# Altium PCB betrusted_dvt1b-dfm.PcbDoc (part 3 of 6) (continued)
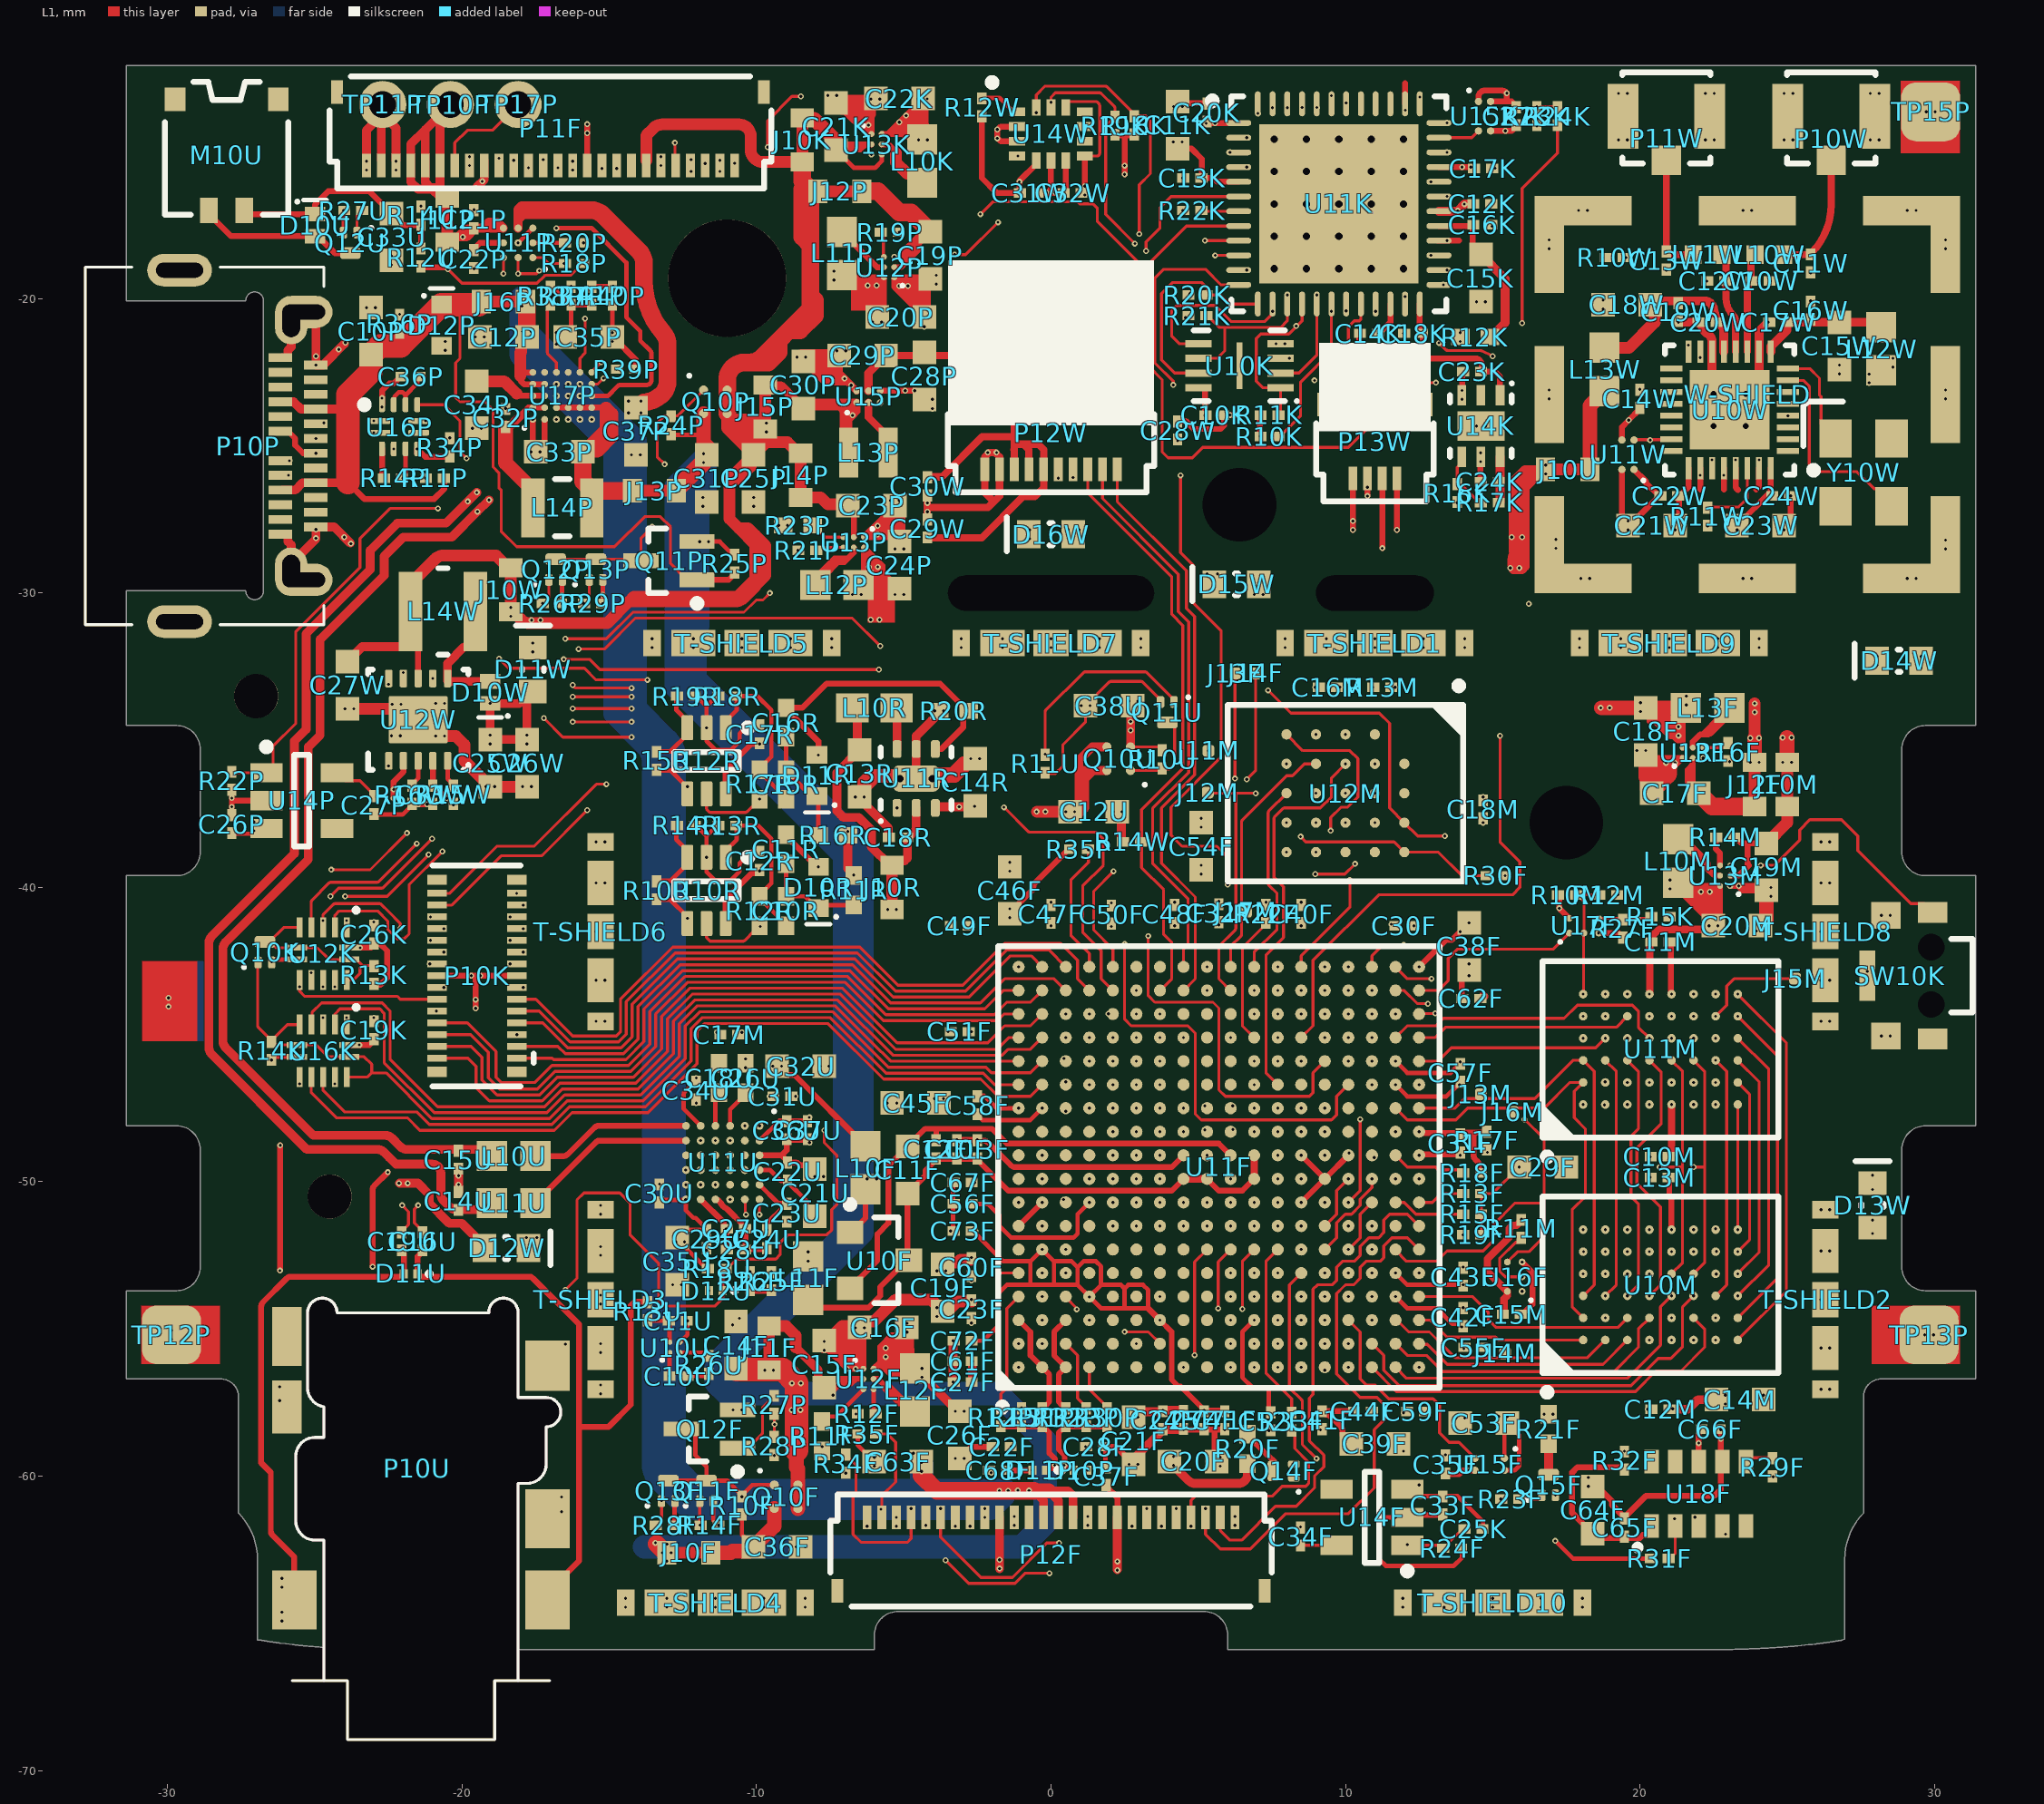
[diagram p0: L1 view]
## Nets (pads, with @x,y where several pads share a name; then routed paths per layer and width w, separated by ;. In a path a pad name is that pad's centre, name@x,y a point inside that pad or via, vN(x,y) a via of type N, cw(c..) or ccw(c..) an arc to the next point about the centre after c; other vN are vias at no path point) (continued)
  other v1: -26.125,-64.925 -26.125,-64.625 -14.45,-64.45 -13.05,-64.45 -11.4,-64.45 -9.75,-64.45 -8.35,-64.45 11.95,-64.45 13.35,-64.45 15,-64.45 16.65,-64.45 18.05,-64.45 -14.45,-64.15 -13.05,-64.15 -11.4,-64.15 -9.75,-64.15 -8.35,-64.15 11.95,-64.15 13.35,-64.15 15,-64.15 16.65,-64.15 18.05,-64.15 -26.125,-63.775 -26.125,-63.475 -1.75,-62.84 -8.65,-62.4 -8.35,-62.4 8.475,-61.725 -5.25,-61.7 -1.25,-61.675 1.25,-61.675 6.25,-61.675 -5.25,-61.4 -1.25,-61.375 1.25,-61.375 6.25,-61.375 15.275,-60.775 17.13,-60.65 18.25,-60.35 12.5,-60.3 18.25,-60.05 -0.635,-59.8 1.235,-59.8 -6.002,-59.659 5.75,-59.658 2.65,-59.6 2.95,-59.6 8.25,-59.595 -3.25,-59.4 -2.95,-59.4 -6.002,-59.359 5.75,-59.358 -9.4,-59.3 -7.775,-59.3 13.4,-59.275 11.675,-59.15 11.975,-59.15 -7.775,-59 22.75,-58.724 7.4,-58.45 9.15,-58.428 22.75,-58.424 4.5,-58.415 15.2,-57.975 15.5,-57.975 10.975,-57.85 11.975,-57.85 -10.8,-57.75 -10.5,-57.75 20.262,-57.729 24.2,-57.55 24.2,-57.25 -15.3,-57.2 26.15,-57.05 26.45,-57.05 -15.3,-56.9 -3.325,-56.8 -6.937,-56.35 -6.638,-56.35 -15.3,-55.8 -7.7,-55.725 26.15,-55.65 26.45,-55.65 14.75,-55.625 -15.3,-55.5 6.9,-55.5 -7.7,-55.425 -3.325,-55.4 20.325,-55.375 -29.875,-55.35 29.675,-55.2 29.975,-55.2 -29.875,-55.05 -6.642,-54.964 -6.342,-54.964 -10.813,-54.863 9.3,-54.7 -10.587,-54.637 -3.875,-54.575 -3.875,-54.275 -15.3,-54.15 -2.7,-54 26.15,-54 26.45,-54 11.7,-53.9 -15.3,-53.85 -11.62,-53.7 -12.85,-53.5 -12.55,-53.5 -2.7,-53.35 6.1,-53.1 16,-52.725 -8.25,-52.7 -15.3,-52.5 -8.25,-52.38 26.15,-52.35 26.45,-52.35 -11.7,-52.325 -15.3,-52.2 -3.416,-51.672 10.9,-51.5 -8.9,-51.3 -15.3,-51.1 26.15,-50.95 26.45,-50.95 -15.3,-50.8 -20.125,-50.093 -13.3,-50.075 -3.404,-50.032 -8.025,-49.825 -7.725,-49.825 -20.125,-49.793 -8.207,-48.667 -5.56,-47.325 -5.24,-47.325 -8.675,-47.1 -12.05,-46.475 -10.375,-46.125 -7.85,-46.075 -7.55,-46.075 3.7,-45.9 11.7,-45.9 -10.375,-45.825 6.1,-45.1 28.2,-45.05 28.5,-45.05 -10.5,-44.925 -3.5,-44.9 -15.45,-44.55 -15.15,-44.55 26.15,-44.55 26.45,-44.55 -23,-44.425 0.5,-44.3 8.5,-44.3 -29.975,-44.05 -29.975,-43.75 2.9,-43.5 10.9,-43.5 -20.625,-43.4 -15.45,-43.15 -15.15,-43.15 26.15,-43.15 26.45,-43.15 27.725,-43.15 27.725,-42.85 5.3,-42.7 -18.375,-42.6 18.6,-41.55 -15.45,-41.5 -15.15,-41.5 26.15,-41.5 26.45,-41.5 23.955,-41.477 24.255,-41.477 -3.5,-41.3 -23,-41.175 21.025,-41 28.2,-40.95 28.5,-40.95 2.05,-40.525 0,-40.5 4.2,-40.5 8.5,-40.5 5.7,-40.475 24.45,-40.3 19.25,-40.25 24.45,-40 23.059,-39.95 23.359,-39.95 -15.45,-39.85 -15.15,-39.85 26.15,-39.85 26.45,-39.85 -1.4,-39.45 -1.4,-39.15 8,-38.8 -15.45,-38.45 -15.15,-38.45 26.15,-38.45 26.45,-38.45 -27.075,-38.075 5.1,-37.95 -27.075,-37.775 5.1,-37.65 2.1,-37.425 2.4,-37.425 -21.492,-37.175 -21.192,-37.175 20.25,-37.075 20.55,-37.075 -6.65,-36.925 -6.35,-36.925 14.675,-36.925 11,-36.8 -19.2,-36.575 -18.9,-36.575 -17.95,-36.575 -17.65,-36.575 20.89,-35.767 21.19,-35.767 -2.725,-35.625 -2.425,-35.625 19.9,-35.35 20.2,-35.35 -20.9,-34.859 -20.6,-34.859 -22.4,-34.85 -22.1,-34.85 10,-34.8 -3.95,-34 -3.65,-34 -23.98,-33.929 -23.68,-33.929 1.025,-33.825 1.325,-33.825 -22.381,-33.778 -22.081,-33.778 -20.9,-33.75 -20.6,-33.75 9.818,-33.195 -13.55,-31.85 -12.15,-31.85 -10.5,-31.85 -8.85,-31.85 -7.45,-31.85 -3.05,-31.85 -1.65,-31.85 0,-31.85 1.65,-31.85 3.05,-31.85 7.95,-31.85 9.35,-31.85 11,-31.85 12.65,-31.85 14.05,-31.85 17.95,-31.85 19.35,-31.85 21,-31.85 22.65,-31.85 24.05,-31.85 -13.55,-31.55 -12.15,-31.55 -10.5,-31.55 -8.85,-31.55 -7.45,-31.55 -3.05,-31.55 -1.65,-31.55 0,-31.55 1.65,-31.55 3.05,-31.55 7.95,-31.55 9.35,-31.55 11,-31.55 12.65,-31.55 14.05,-31.55 17.95,-31.55 19.35,-31.55 21,-31.55 22.65,-31.55 24.05,-31.55 -16.61,-30.368 -15.233,-30.362 -16.61,-30.068 -15.233,-30.062 17.992,-29.504 18.292,-29.504 23.5,-29.5 23.8,-29.5 29.08,-29.5 29.38,-29.5 -5.3,-28.5 -5,-28.5 30.38,-28.5 17.15,-28.475 -23.779,-28.323 -11.934,-28.25 -11.634,-28.25 30.38,-28.2 17.15,-28.175 -24.97,-28.135 -24.006,-28.097 -5.888,-28.012 19.6,-27.85 24.9,-27.85 -24.97,-27.835 22.3,-27.725 -9.25,-27.7 -8.95,-27.7 -5.888,-27.712 19.6,-27.55 24.9,-27.55 -4.2,-27.237 -11.825,-27.05 -10.1,-27.05 -4.2,-26.938 -5.45,-26.85 -5.15,-26.85 -11.825,-26.75 -10.1,-26.75 20.663,-26.7 25.125,-26.7 -22.018,-26.1 14.594,-25.531 -14.25,-25.3 -13.95,-25.3 14.594,-25.231 -17.653,-25.205 -17.353,-25.205 -2.15,-25.225 -1.85,-25.225 -19.65,-24.4 -19.35,-24.4 14.45,-24.325 14.75,-24.325 -17.6,-24.1 6.078,-23.95 6.378,-23.95 -4.025,-23.735 -4.025,-23.415 13.956,-23.419 16.92,-23.4 30.38,-23.4 -4.951,-23.125 -4.631,-23.125 13.956,-23.119 16.92,-23.1 30.38,-23.1 20,-23.075 -6.787,-22.938 -7.013,-22.712 -21.345,-22.659 26.775,-22.55 -24.97,-22.252 26.775,-22.25 -8.631,-21.981 -8.331,-21.981 -24.97,-21.952 10.475,-21.85 -20.575,-21.75 -7.27,-21.77 -6.97,-21.77 -24.189,-21.718 7.645,-21.525 7.945,-21.525 -23.963,-21.492 -20.575,-21.45 -14.9,-21.45 -19.55,-21.3 -19.25,-21.3 11.975,-21.175 -14.9,-21.15 -4.303,-20.949 21.305,-20.795 24.362,-20.8 -4.303,-20.649 18.75,-20.35 -23.25,-20.3 -22.95,-20.3 14.45,-20.1 14.75,-20.1 25.8,-20.075 18.75,-20.05 -5.158,-19.564 -4.858,-19.564 -3.9,-19.5 22.275,-19.4 24.425,-19.4 -3.9,-19.2 25.8,-19.125 20.9,-19.025 -19.6,-18.975 -22.4,-18.85 -22.4,-18.55 16.92,-18.3 30.38,-18.3 -18.1,-18.1 -15.875,-18.1 16.92,-18 30.38,-18 14.977,-17.535 17.92,-17 18.22,-17 23.5,-17 23.8,-17 29.08,-17 29.38,-17 -19.6,-16.975 14.982,-16.715 -0.158,-16.394 0.142,-16.394 4.475,-15.9 -23.25,-15.625 -22.25,-15.625 -16.25,-15.625 15.086,-15.569 -19.75,-15.475 -13.25,-15.475 -23.25,-15.325 -22.25,-15.325 -16.25,-15.325 -19.75,-15.175 -13.25,-15.175 19.275,-14.6 19.575,-14.6 22.225,-14.6 22.525,-14.6 24.9,-14.6 25.2,-14.6 27.825,-14.6 28.125,-14.6 -1.825,-14.55 -1.825,-14.25 -6.501,-14.1 -6.201,-14.1 29.725,-13.65 30.025,-13.65 4.161,-13.472 4.461,-13.472 -6.115,-13.215 -5.815,-13.215 -7.582,-13.096 -7.282,-13.096 15.484,-13.019 19.275,-13.025 19.575,-13.025 22.225,-13.025 22.525,-13.025 24.9,-13.025 25.2,-13.025 27.825,-13.025 28.125,-13.025
  other v2: -26.125,-64.775 -14.45,-64.3 -13.05,-64.3 -11.4,-64.3 -9.75,-64.3 -8.35,-64.3 11.95,-64.3 13.35,-64.3 15,-64.3 16.65,-64.3 18.05,-64.3 -26.125,-63.625 -1.75,-62.99 -8.5,-62.4 8.475,-61.725 -11.287,-61.675 -12.793,-61.667 -5.25,-61.55 -1.25,-61.525 1.25,-61.525 6.25,-61.525 15.275,-60.775 17.13,-60.65 12.5,-60.3 18.25,-60.2 1.235,-59.8 8.25,-59.595 5.75,-59.508 -9.4,-59.3 13.4,-59.275 -7.775,-59.15 11.825,-59.15 22.75,-58.574 7.4,-58.45 5.9,-58.425 9.15,-58.428 15.35,-57.975 11,-57.9 12,-57.9 -10.65,-57.75 20.262,-57.729 24.2,-57.4 -15.3,-57.05 26.3,-57.05 -11.625,-56.55 -6.787,-56.35 -15.3,-55.65 26.3,-55.65 14.75,-55.625 6.9,-55.5 -29.875,-55.2 29.825,-55.2 -6.492,-54.964 -10.7,-54.75 -12.35,-54.725 9.3,-54.7 -3.875,-54.425 -15.3,-54 -2.7,-54 26.3,-54 -11.62,-53.7 -12.7,-53.5 -2.7,-53.35 6.1,-53.1 -8.25,-52.54 -15.3,-52.35 26.3,-52.35 -11.7,-52.325 -10.3,-52.3 -3.416,-51.672 10.9,-51.5 -8.9,-51.3 -15.3,-50.95 26.3,-50.95 -13.3,-50.075 -3.404,-50.032 -20.125,-49.943 -7.875,-49.825 -8.207,-48.667 -5.4,-47.325 -8.575,-47.025 -12.05,-46.475 -7.7,-46.075 -10.375,-45.975 3.7,-45.9 -26.475,-45.862 6.1,-45.1 28.35,-45.05 -10.5,-44.925 -3.5,-44.9 -15.3,-44.55 26.3,-44.55 -23,-44.425 0.5,-44.3 8.5,-44.3 -29.975,-43.9 14.695,-43.7 2.9,-43.5 10.9,-43.5 -20.625,-43.4 -15.3,-43.15 26.3,-43.15 27.725,-43 5.3,-42.7 -18.375,-42.6 -26.47,-42.525 -15.3,-41.5 26.3,-41.5 24.105,-41.477 -3.5,-41.3 -23,-41.175 21.025,-41 28.35,-40.95 2.05,-40.525 0,-40.5 4.2,-40.5 8.5,-40.5 5.7,-40.475 19.25,-40.25 24.45,-40.15 -15.3,-39.85 26.3,-39.85 -1.4,-39.3 -11.7,-38.975 8,-38.8 -15.3,-38.45 26.3,-38.45 -27.075,-37.925 5.1,-37.8 -21.342,-37.175 20.4,-37.075 -6.5,-36.925 14.675,-36.925 11,-36.8 21.04,-35.767 -2.575,-35.625 20.05,-35.35 -20.75,-34.859 -22.25,-34.85 10,-34.8 -11.7,-34.575 -3.8,-34 -23.83,-33.929 -22.231,-33.778 -20.75,-33.75 9.818,-33.195 -13.55,-31.7 -12.15,-31.7 -10.5,-31.7 -8.85,-31.7 -7.45,-31.7 -3.05,-31.7 -1.65,-31.7 0,-31.7 1.65,-31.7 3.05,-31.7 7.95,-31.7 9.35,-31.7 11,-31.7 12.65,-31.7 14.05,-31.7 17.95,-31.7 19.35,-31.7 21,-31.7 22.65,-31.7 24.05,-31.7 -16.61,-30.218 -15.233,-30.212 18.142,-29.504 23.65,-29.5 29.23,-29.5 -5.15,-28.5 30.38,-28.35 17.15,-28.325 -11.784,-28.25 -23.893,-28.21 -24.97,-27.985 -5.888,-27.862 22.3,-27.725 -9.1,-27.7 -11.825,-26.9 -10.1,-26.9 -5.3,-26.85 14.594,-25.381 -14.1,-25.3 -17.503,-25.205 -2,-25.225 -19.5,-24.4 14.6,-24.325 6.228,-23.95 -4.025,-23.575 13.956,-23.269 16.92,-23.25 30.38,-23.25 -4.791,-23.125 20,-23.075 -14.085,-22.392 26.775,-22.4 -24.97,-22.102 -8.481,-21.981 -7.12,-21.77 -24.076,-21.605 -20.575,-21.6 7.795,-21.525 -19.4,-21.3 11.975,-21.175 -4.303,-20.799 21.305,-20.795 -22.125,-20.525 -23.1,-20.3 18.75,-20.2 14.6,-20.1 25.8,-20.075 -5.008,-19.564 22.275,-19.4 24.425,-19.4 -3.9,-19.35 25.8,-19.125 20.9,-19.025 -22.4,-18.7 16.92,-18.15 30.38,-18.15 14.977,-17.535 -24.026,-17.001 18.07,-17 23.65,-17 29.23,-17 14.982,-16.715 -0.008,-16.394 4.475,-15.9 15.086,-15.569 -23.25,-15.475 -22.25,-15.475 -16.25,-15.475 -19.75,-15.325 -13.25,-15.325 19.425,-14.6 22.375,-14.6 25.05,-14.6 27.975,-14.6 -1.825,-14.4 -6.351,-14.1 29.875,-13.65 4.311,-13.472 -5.965,-13.215 -7.432,-13.096 19.425,-13.025 22.375,-13.025 25.05,-13.025 27.975,-13.025
  other v3: 29.829,-55.35 -30.025,-55.2 -29.725,-55.2 29.829,-55.05 -30.125,-43.9 -29.825,-43.9 29.875,-13.8 29.875,-13.5
  other v4: 7.576,-18.977 8.676,-18.977 9.776,-18.977 10.876,-18.977 11.976,-18.977 7.576,-17.877 8.676,-17.877 9.776,-17.877 10.876,-17.877 11.976,-17.877 7.576,-16.777 8.676,-16.777 9.776,-16.777 10.876,-16.777 11.976,-16.777 7.576,-15.677 8.676,-15.677 9.776,-15.677 10.876,-15.677 11.976,-15.677 7.576,-14.577 8.676,-14.577 9.776,-14.577 10.876,-14.577 11.976,-14.577
  other v5: 22.5,-24.325 23.6,-24.325
GPIO0: P11F.14 U11F.F14 | length 60.1
  L2 w0.1: v1(-16.75,-15.55) -16.75,-15.05 -16.55,-14.85 -13.775,-14.85 -13.234,-14.309 -12.2,-14.309 -9.506,-14.308 cw(c-9.505,-14.408) -9.435,-14.337 -8.017,-15.755 -8.016,-20.499 -10.9,-23.384 -10.899,-27.342 -10.899,-28.782 cw(c-10.999,-28.783) -10.928,-28.853 -11.325,-29.25 -12.307,-29.25 -15.567,-32.511 -15.566,-36.945 ccw(c-15.466,-36.945) -15.537,-37.016 -14.355,-38.197 cw(c-14.425,-38.269) -14.325,-38.268 ; -14.325,-38.269 -14.325,-41.008 -12.633,-42.7 -8.066,-42.7 -7.016,-43.75 -0.808,-43.75 -0.133,-43.075 1.125,-43.075 1.825,-43.775 2,-43.775 2.3,-44.075 2.3,-44.85 2.35,-44.9 2.35,-45.37 v1@2.89,-45.91
  other v1: 2.9,-45.9
GPIO1: P11F.13 U11F.F15 | length 60.4
  L2 w0.1: v1(-17.25,-15.275) -17.25,-15.05 -16.85,-14.65 -15.175,-14.65 -14.617,-14.092 -12.2,-14.092 -9.416,-14.091 cw(c-9.415,-14.191) -9.345,-14.12 ; -14.125,-38.173 -14.125,-40.925 -12.55,-42.5 -7.983,-42.5 -6.933,-43.55 -0.9,-43.55 -0.225,-42.875 1.208,-42.875 1.858,-43.525 2.075,-43.525 2.5,-43.95 2.5,-44.767 2.55,-44.817 2.55,-45.266 2.609,-45.325 2.679,-45.325 2.9,-45.104 v1(2.9,-45.1) ; -14.125,-38.172 ccw(c-14.225,-38.173) -14.155,-38.102 -15.32,-36.937 cw(c-15.249,-36.866) -15.349,-36.866 -15.35,-32.6 -12.217,-29.467 -11.235,-29.467 -10.711,-28.943 ccw(c-10.782,-28.872) -10.682,-28.872 -10.682,-27.252 -10.683,-23.474 -7.799,-20.589 -7.8,-15.665 -9.345,-14.121
GPIO2: P10K.29 P11F.22 U11F.E16 | length 60.3
  L1 w0.1: P10K.29@-20.855,-40.6 -20.35,-40.6 -18.675,-38.925 -17.341,-38.925 ccw(c-17.341,-38.825) -17.27,-38.895 ; -17.27,-38.895 v1(-15.75,-37.375) ; v1(-12.775,-14.7) -12.775,-15.45 P11F.22@-12.75,-15.475
  L2 w0.1: v1(-12.775,-14.7) -12.5,-14.7 -12.309,-14.509 -12.2,-14.509 -9.589,-14.509 cw(c-9.588,-14.609) -9.518,-14.538 ; -9.517,-14.538 -8.217,-15.838 -8.216,-20.416 -11.1,-23.301 -11.1,-27.425 -11.1,-28.699 cw(c-11.2,-28.7) -11.129,-28.77 -11.408,-29.049 -12.39,-29.05 -15.767,-32.428 -15.766,-37.342 ccw(c-15.666,-37.342) -15.737,-37.413 -14.555,-38.595 cw(c-14.625,-38.666) -14.525,-38.666 -14.525,-41.091 -12.716,-42.9 -8.149,-42.9 -7.099,-43.95 -0.725,-43.95 -0.05,-43.275 1.033,-43.275 1.779,-44.021 1.779,-44.126 v1(1.949,-44.296)
GPIO3: P10K.30 P11F.12 U11F.G15 | length 70.4
  L1 w0.1: P10K.30@-20.855,-40.2 -20.425,-40.2 -18.825,-38.6 -17.55,-38.6 -15.441,-36.491 v1(-15.099,-36.491)
  L2 w0.1: v1(-17.75,-15.55) -17.75,-15.2 -16.275,-13.725 -15.475,-13.725 -15.366,-13.834 -12.175,-13.834 -9.187,-13.833 -6.905,-16.115 -6.904,-20.284 -8.05,-21.43 -8.049,-24.426 -8.049,-25.649 -10.3,-27.9 -10.3,-29.457 -10.513,-29.67 -11.595,-30.753 ccw(c-11.525,-30.824) -11.625,-30.824 -11.625,-31.818 cw(c-11.725,-31.818) -11.654,-31.888 -12.012,-32.246 cw(c-12.083,-32.175) -12.082,-32.275 -14.507,-32.275 -15.101,-32.869 v1@-15.1,-36.491 ; v1(-15.099,-36.491) ccw(c-15,-36.505) -15.1,-36.505 -15.1,-36.684 ccw(c-15,-36.684) -15.071,-36.754 -13.925,-37.9 -13.925,-40.842 -12.467,-42.3 -7.9,-42.3 -6.85,-43.35 -0.983,-43.35 -0.308,-42.675 1.325,-42.675 1.938,-43.288 2.122,-43.288 2.734,-43.9 3.125,-43.9 3.35,-44.125 3.35,-44.75 v1(3.7,-45.1)
GPIO4: P11F.11 U11F.G16 | length 63.1
  L2 w0.1: v1(-18.25,-15.3) -18.05,-15.1 -17.975,-15.1 -16.4,-13.525 -14.925,-13.525 -14.825,-13.625 -12.175,-13.625 -9.101,-13.624 -6.696,-16.028 -6.695,-20.37 -7.849,-21.524 -7.849,-25.799 -10.025,-27.975 -10.025,-29.465 -11.325,-30.765 -11.325,-30.924 -11.325,-31.801 cw(c-11.425,-31.801) -11.354,-31.871 -11.513,-32.03 -11.946,-32.462 cw(c-12.016,-32.392) -12.016,-32.492 -14.258,-32.492 ccw(c-14.258,-32.592) -14.329,-32.521 -14.801,-32.993 -14.8,-36.701 ccw(c-14.7,-36.701) -14.771,-36.771 -13.725,-37.817 -13.725,-40.759 -12.384,-42.1 -7.817,-42.1 -6.767,-43.15 -1.066,-43.15 -0.391,-42.475 1.408,-42.475 2.008,-43.075 3.15,-43.075 3.7,-43.625 v1(3.7,-44.3)
GPIO5: P11F.10 U11F.G13 | length 66.9
  L2 w0.1: v1(-18.75,-15.225) -18.2,-14.675 -17.875,-14.675 -16.5,-13.3 -14.6,-13.3 -14.475,-13.425 -12.175,-13.425 -9.018,-13.424 -6.496,-15.945 -6.495,-20.453 -7.641,-21.599 -7.641,-24.144 -7.641,-26.866 -9.4,-28.625 -9.4,-29.135 -10.099,-29.834 -11.096,-30.831 ccw(c-11.025,-30.902) -11.125,-30.902 -11.125,-31.883 cw(c-11.225,-31.883) -11.154,-31.954 -11.862,-32.662 cw(c-11.933,-32.592) -11.933,-32.692 -14.175,-32.692 ccw(c-14.176,-32.792) -14.246,-32.721 -14.601,-33.076 -14.6,-36.618 ccw(c-14.5,-36.618) -14.571,-36.689 -13.525,-37.734 -13.525,-40.676 -12.301,-41.9 -7.734,-41.9 -6.684,-42.95 -2.775,-42.95 -1.7,-41.875 -1.225,-41.875 -0.825,-42.275 2.633,-42.275 3.95,-43.592 3.95,-45.521 4.1,-45.671 4.1,-46.066 3.7,-46.466 v1(3.7,-46.7)
GYRO_INT0: U11K.43 U14W.4 | length 11.5
  L2 w0.1: v1(-1.125,-15.15) 1.284,-15.15 ccw(c1.284,-15.05) 1.355,-15.12 3.401,-13.074 cw(c3.472,-13.144) 3.472,-13.044 9.428,-13.044 cw(c9.428,-13.144) 9.498,-13.073 v1(9.525,-13.1)
HP_DET: D12U.2 P10U.6 R18U.1 U11U.C4 | length 26.3
  L1 w0.1: v1@-16.5,-53.675 v1@-16.5,-53.667 ; v1(-16.492,-53.667) -16.1,-53.275 -16.1,-50.614 -15.861,-50.375 -14.65,-50.375 -14.3,-50.725 -14.3,-51.8 -13.325,-52.775 -13.325,-54.05 -13.15,-54.225 -11.425,-54.225 -11.15,-53.95 D12U.2@-11.15,-53.7 -11.15,-53.06 -11.04,-52.95 -11.025,-52.95 -11,-52.95 -10.675,-52.625 -9.35,-52.625 -9.2,-52.475 -9.2,-52.075 -8.925,-51.8 -7.613,-51.8 -7.45,-51.637 -7.45,-50.95 -7.275,-50.775 -7.275,-49.1 -7.7,-48.675 v1(-7.7,-48.25)
  L2 w0.1: v1(-16.492,-55.517) v1(-16.492,-53.667) ; v1(-10.9,-49.6) -10.725,-49.425 -9.3,-49.425 -8.833,-48.958 -8.833,-48.408 -8.675,-48.25 v1(-7.7,-48.25)
HP_LEFT: P10U.2 U11U.B1 | length 32.3
  L1 w0.2: v1(-26.191,-53.017) -26.191,-48.773 v1(-26.179,-48.761)
  L2 w0.2: v1@-26.2,-57.425 v1(-26.2,-56.963) v1@-26.2,-53.017 ; v1(-26.179,-48.761) -25.519,-48.1 -20.866,-48.1 -17.325,-48.1 -14.308,-45.083 cw(c-14.167,-45.225) -14.169,-45.025 -14.167,-45.025 -12.175,-45.025 -11.625,-44.475 -10.05,-44.475 -8.725,-45.8 -8.725,-46.35 -9.075,-46.7 -9.075,-47.475 -9.475,-47.875 -9.475,-48.175 -9.775,-48.475 -10.025,-48.475 v1(-10.4,-48.1)
  other v1: -26.2,-57.438
HP_MIC: C16U.1 D11U.2 P10U.1 R13U.1 | length 22.9
  L1 w0.2: C16U.1@-21.35,-52.35 -21.35,-52.375 -21.515,-52.54 D11U.2@-21.515,-53.125 -21.474,-53.166 ccw(c-21.332,-53.025) -21.332,-53.225 -17.733,-53.225 cw(c-17.733,-53.425) -17.591,-53.284 -16.025,-54.85 -16.025,-58.322 ; P10U.1@-17.1,-64.2 -17.1,-63.95 -16.025,-62.875 -16.025,-58.322 ; R13U.1@-13.7,-54.075 -14.15,-54.075 -14.275,-54.2 -14.275,-57.575 -15.022,-58.322 -16.025,-58.322
HP_RIGHT: P10U.3 U11U.A1 | length 34.7
  L1 w0.2: v1(-23.04,-52.884) -23.04,-50.959 ccw(c-23.24,-50.959) -23.04,-50.947 -23.042,-50.904 cw(c-22.842,-50.893) -23.043,-50.893 -23.042,-50.275 cw(c-22.842,-50.275) -22.984,-50.134 v1(-22.525,-49.675)
  L2 w0.2: v1@-23.04,-52.875 -19.85,-52.875 -19.4,-53.325 -18.125,-53.325 -17.425,-54.025 -17.425,-55.8 -17.05,-56.175 -15.832,-57.393 -15.832,-59.919 v1(-16.625,-60.713) v1@-16.625,-61.2 ; v1@-22.524,-49.674 -21.409,-48.559 cw(c-21.267,-48.7) -21.268,-48.5 ; -21.267,-48.5 -17.15,-48.5 -14.134,-45.484 cw(c-13.992,-45.625) -13.994,-45.425 -13.992,-45.425 -10.225,-45.425 -9.9,-45.75 -9.9,-46.5 -10.125,-46.725 -10.125,-47.325 -9.9,-47.55 v1(-9.9,-48.1)
  other v1: -16.625,-61.213
I2C0_SCL: P10K.27 P11F.18 R19K.1 U11K.23 U11P.A3 U12W.10 U14W.13 U16P.8 U17P.F5 | length 75.1
  L1 w0.1: v1(-18.6,-19.15) U11P.A3@-18.6,-18.6 ; U17P.F5@-15.6,-22.5 -15.6,-22.475 v1(-15.275,-22.15) ; U14W.13@0,-13.5 v1(0,-13.325) 0,-13.15 0.15,-13 1.639,-13 cw(c1.639,-13.1) 1.711,-13.03 2.143,-13.463 ; 2.144,-13.463 cw(c2.072,-13.533) 2.172,-13.532 2.172,-13.797 2.172,-13.822 1.853,-14.141 1.853,-17.128 v1(2.85,-18.125)
  L2 w0.1: v1(-20.625,-41.4) -21.125,-41.4 -21.475,-41.05 -21.475,-39.975 -23.196,-38.254 cw(c-23.125,-38.184) -23.225,-38.184 -23.225,-33.866 cw(c-23.125,-33.866) -23.196,-33.796 v1(-22.5,-33.1) -22.329,-32.929 ccw(c-22.4,-32.859) -22.3,-32.859 -22.3,-27.766 ccw(c-22.4,-27.766) -22.329,-27.696 -22.975,-27.05 -22.975,-25.1 -22.025,-24.15 v1(-21.25,-24.15) -20.125,-23.025 -20.125,-20.675 v1(-18.6,-19.15) -18.325,-18.875 -18.025,-18.875 ; v1(-15.275,-22.15) -15.725,-21.7 -15.725,-21.175 -18.025,-18.875 ; v2(-14.75,-16.175) -14.75,-15.581 v1(-14.756,-15.575) -14.756,-15.269 -14.875,-15.15 -15.6,-15.15 -15.75,-15.3 -15.75,-17.025 -16.775,-18.05 -17.2,-18.05 -18.025,-18.875 ; v2(-3.05,-13.325) v1(0,-13.325) ; v1(2.85,-18.125) 4.584,-18.125 ccw(c4.584,-18.025) 4.654,-18.096 4.996,-17.754 cw(c5.066,-17.825) 5.065,-17.725 ; 5.066,-17.725 6.8,-17.725 7.05,-17.975 7.05,-19.254 7.921,-20.125 7.925,-20.125 7.975,-20.175 8.225,-20.175 8.475,-19.925 8.475,-19.7 8.775,-19.4 11.5,-19.4 v1(12.025,-19.925)
  L7 w0.1: v2(-14.75,-16.175) -12.625,-16.175 -11.075,-14.625 -5.05,-14.625 -3.75,-13.325 v2(-3.05,-13.325)
I2C0_SDA: P10K.28 P11F.17 R18K.1 U11K.25 U11P.A2 U12W.9 U14W.14 U16P.7 U17P.E4 | length 73.8
  L1 w0.1: U11P.A2@-18.1,-18.6 -18.1,-19.15 v1(-18.102,-19.152) -17.477,-19.152 -17.382,-19.057 v1(-17.382,-19.048) ; U14W.14@-0.5,-13.5 -0.5,-13.075 -0.2,-12.775 1.834,-12.775 cw(c1.834,-12.875) 1.905,-12.805 2.795,-13.695 cw(c2.725,-13.766) R18K.1@2.825,-13.766 ; R18K.1@2.825,-13.766 2.825,-13.786 3.211,-13.786 3.375,-13.95 3.375,-15.75 3,-16.125 v1(3,-17.8)
  L2 w0.1: v1(-21.075,-41) -21.075,-39.725 -22.942,-37.858 cw(c-22.872,-37.787) -22.972,-37.787 -22.972,-33.963 cw(c-22.872,-33.963) -22.942,-33.892 -22.352,-33.302 -22.348,-33.302 -22,-32.954 v1(-22,-32.7) -22,-27.575 -22.775,-26.8 -22.775,-25.196 -22.129,-24.55 v1(-21.675,-24.55) -21.05,-24.55 -18.9,-22.4 -18.9,-19.95 v1(-18.102,-19.152) -18.09,-19.152 -16,-21.242 v1(-16,-22.9) ; v1(-17.382,-19.048) -17.381,-19.046 -17.381,-18.731 -16.95,-18.3 -16.7,-18.3 -15.256,-16.856 v1(-15.256,-15.575) ; v2(-3.375,-14.2) -2.875,-14.2 -2.35,-13.675 v1(-0.5,-13.675) ; v1(3,-17.8) 4.609,-17.8 ccw(c4.609,-17.7) 4.679,-17.771 4.996,-17.454 cw(c5.066,-17.525) 5.065,-17.425 ; 5.066,-17.425 7.714,-17.425 8.125,-17.836 8.125,-18.084 ccw(c8.225,-18.084) 8.154,-18.154 8.296,-18.296 ccw(c8.366,-18.225) 8.366,-18.325 12.3,-18.325 13.025,-19.05 13.025,-19.225 v1(13.325,-19.525)
  L7 w0.1: v1(-15.256,-15.575) -15.256,-16.369 -15,-16.625 -14.55,-16.625 -14.4,-16.475 -12.475,-16.475 -11.225,-15.225 -4.4,-15.225 v2(-3.375,-14.2)
  other v2: -15.256,-15.575
I2C1_SCL: R26F.1 U11F.G2 U11U.B6 U18F.3 | length 46
  L1 w0.1: U11U.B6@-10.4,-50.6 -10.382,-50.618 -10.382,-51.094 v1(-10.364,-51.112) ; v2(2.5,-55.1) 3.3,-55.1 U11F.G2@3.7,-55.5
  L2 w0.1: v1(-10.225,-53.05) -10.775,-52.5 -10.775,-52.025 -10.364,-51.614 v1(-10.364,-51.112) -10.102,-50.85 -8.875,-50.85 -8.775,-50.75 -2.7,-50.75 -1.35,-49.4 -0.016,-49.4 cw(c-0.016,-49.5) 0.055,-49.43 0.146,-49.521 cw(c0.075,-49.591) 0.175,-49.591 ; 0.175,-49.591 0.175,-51.225 2.5,-53.55 v2(2.5,-55.1)
  L7 w0.1: v2(2.5,-55.1) 3.4,-56 3.4,-59.375 4.525,-60.5 11.95,-60.5 12.775,-61.325 19.628,-61.325 19.698,-61.395 21.867,-61.395 v1(21.872,-61.391)
  other v1: 2.5,-55.1
  other v2: 21.872,-61.391
I2C1_SDA: R25F.1 U11F.F2 U11U.A6 U18F.4 | length 46.3
  L1 w0.1: v1(-9.906,-51.112) -9.903,-51.109 -9.903,-50.603 U11U.A6@-9.9,-50.6 ; U18F.4@22.8,-61.85 U18F.4@22.8,-61.7
  L2 w0.1: v1(-9.906,-51.112) -10.125,-51.331 -10.125,-51.85 -9.5,-52.475 ; v1(-9.5,-53.05) -9.5,-52.475 ; v2(2.5,-55.9) 2,-55.4 2,-54.98 2.225,-54.755 2.225,-53.563 1.971,-53.309 0.004,-51.342 cw(c0.075,-51.272) -0.025,-51.272 -0.025,-49.775 -0.2,-49.6 -1.25,-49.6 -2.65,-51 -8.025,-51 -9.5,-52.475
  L2 w0.2: v2(2.5,-55.9) v1(2.9,-55.5)
  L7 w0.1: v2(2.5,-55.9) 3.2,-56.6 3.2,-59.6 4.35,-60.75 11.875,-60.75 12.68,-61.555 18.371,-61.555 18.785,-61.969 v1(22.91,-61.969)
  other v2: 22.91,-61.969
INIT_B: R15F.1 U11F.U8 | length 2.4
  L1 w0.1: U11F.U8@11.7,-50.7 11.998,-50.7 12.398,-51.1 R15F.1@13.975,-51.1
JTAG_TCK: P12F.25 R35F.1 U11F.D9 U11F.U11 | length 35.9
  L1 w0.1: R35F.1@-5.917,-58.569 -5.556,-58.569 -5.275,-58.85 -5.275,-60.2 -5.75,-60.675 P12F.25@-5.75,-61.4
  L2 w0.1: v1@-5.775,-61.125 -5.772,-61.125 -5.444,-60.797 -4.747,-60.797 -3.7,-59.75 -3.7,-59.025 -2.8,-58.125 -0.325,-58.125 0.537,-57.262 1.538,-57.262 2.053,-56.747 3.097,-56.747 3.3,-56.544 3.3,-56.015 3.525,-55.79 3.525,-55.75 3.532,-55.743 3.532,-55.495 3.975,-55.051 3.975,-53.525 2.88,-52.43 1.664,-52.43 0.45,-51.216 0.45,-50.95 0.865,-50.535 0.865,-50.335 v1(1.3,-49.9) 1.6,-49.6 4.6,-49.6 5.15,-50.15 6.498,-50.15 7.298,-49.35 10.425,-49.35 11.475,-48.3 v1(11.7,-48.3)
  other v1: -5.775,-61.128
JTAG_TDI: P12F.22 U11F.P7 U11F.R9 | length 24.1
  L1 w0.1: U11F.P7@9.3,-51.5 9.7,-51.1 9.7,-50.3 v1(10.1,-49.9)
  L2 w0.1: v1(-4.25,-61.675) -4.25,-61.225 -3.475,-60.45 -3.225,-60.45 -2.725,-59.95 -2.725,-59.575 -1.725,-58.575 0.108,-58.575 0.583,-58.1 1.492,-58.1 2.311,-57.281 2.42,-57.172 3.237,-57.172 3.7,-56.709 3.7,-56.181 3.932,-55.949 3.932,-55.661 4.197,-55.395 4.521,-55.071 ccw(c4.45,-55.001) 4.55,-55.001 4.55,-53.434 cw(c4.65,-53.434) 4.579,-53.363 5.642,-52.3 8.008,-52.3 8.258,-52.55 8.825,-52.55 9.3,-52.075 9.3,-51.1 9.55,-50.85 9.55,-50.45 v1(10.1,-49.9)
JTAG_TDO: P12F.26 U11F.R6 U11F.T8 | length 24.5
  L1 w0.1: v1(10.1,-52.3) 10.5,-51.9 10.5,-51.1 U11F.T8@10.9,-50.7
  L2 w0.1: v1(-6.25,-61.7) -6.007,-61.943 ccw(c-5.937,-61.872) -5.937,-61.972 -4.235,-61.972 ccw(c-4.235,-61.872) -4.164,-61.943 -3.31,-61.088 -2.838,-61.088 -2.3,-60.55 -2.3,-59.798 -2.025,-59.523 -1.715,-59.523 -1.637,-59.6 -1.025,-59.6 -0.775,-59.35 0.1,-59.35 0.9,-58.55 1.608,-58.55 2.58,-57.578 3.397,-57.578 4.1,-56.875 4.1,-56.346 4.332,-56.115 4.332,-55.826 4.921,-55.237 ccw(c4.85,-55.166) 4.95,-55.166 4.95,-53.599 cw(c5.05,-53.599) 4.979,-53.529 5.808,-52.7 7.825,-52.7 8.075,-52.95 8.991,-52.95 9.641,-52.3 v1(10.1,-52.3)
JTAG_TMS: P12F.23 R34F.2 U11F.P6 U11F.T9 | length 32
  L1 w0.1: R34F.2@-6.975,-59.25 -6.975,-59.275 -6.625,-59.625 -6.625,-60.55 -6.725,-60.65 -6.725,-61.975 -6.45,-62.25 -4.875,-62.25 -4.75,-62.125 P12F.23@-4.75,-61.4 ; U11F.P6@9.3,-52.3 9.7,-51.9 9.7,-51.398 9.998,-51.1 10.202,-51.1 10.5,-50.802 10.5,-50.593 10.9,-50.193 v1(10.9,-49.9)
  L2 w0.1: v1(-4.75,-61.1) -3.5,-59.85 -3.5,-59.2 -2.675,-58.375 0.025,-58.375 0.525,-57.875 1.434,-57.875 2.337,-56.972 3.155,-56.972 3.5,-56.626 3.5,-56.098 3.732,-55.866 3.732,-55.578 4.296,-55.014 ccw(c4.225,-54.943) 4.325,-54.943 4.325,-53.341 cw(c4.425,-53.341) 4.354,-53.271 5.575,-52.05 5.575,-50.871 6.046,-50.4 6.05,-50.4 6.1,-50.35 6.675,-50.35 7.425,-49.6 10.211,-49.6 10.511,-49.9 v1(10.9,-49.9)
KEY0: P10K.16 U11F.A15 | length 23.9
  L1 w0.1: P10K.16@-20.855,-45.8 -19.8,-45.8 -19.525,-46.075 -19.525,-46.8 -19.075,-47.25 -17.284,-47.25 -16.684,-46.65 -14.105,-46.65 -13.025,-45.57 -13.025,-44.463 -12.187,-43.625 -7.159,-43.625 -5.284,-45.5 -1.825,-45.5 -1.425,-45.1 U11F.A15@-1.1,-45.1
KEY1: P10K.1 U11F.A17 | length 19.8
  L1 w0.1: P10K.1@-18.145,-45.8 -16.945,-45.8 -16.895,-45.85 -14.437,-45.85 -13.825,-45.238 -13.825,-44.131 -12.519,-42.825 -6.828,-42.825 -5.528,-44.125 -2.25,-44.125 -1.625,-43.5 U11F.A17@-1.1,-43.5
KEY2: P10K.18 U11F.A16 | length 23.8
  L1 w0.1: P10K.18@-20.855,-45 -19.708,-45 -19.112,-45.596 -19.112,-46.471 -18.733,-46.85 -17.45,-46.85 -16.85,-46.25 -14.271,-46.25 -13.425,-45.404 -13.425,-44.297 -12.353,-43.225 -6.994,-43.225 -5.694,-44.525 -1.825,-44.525 -1.6,-44.3 U11F.A16@-1.1,-44.3
KEY3: U11F.A14 U16K.2 | length 29
  L1 w0.1: U16K.2@-24.325,-44.66 -24.325,-44.3 -24.15,-44.125 -22.8,-44.125 -22.65,-44.275 -22.65,-45.95 -20.95,-47.65 -17.119,-47.65 -16.519,-47.05 -13.94,-47.05 -12.625,-45.735 -12.625,-44.628 -12.022,-44.025 -7.325,-44.025 -6.025,-45.325 -5.479,-45.871 ccw(c-5.409,-45.8) -5.409,-45.9 U11F.A14@-1.1,-45.9
KEY3_MUX: P10K.3 U12K.1 U16K.1 | length 9.3
  L2 w0.1: v1(-23.925,-41.125) v1(-23.925,-44.425) -23.725,-44.625 -23.525,-44.625 -23.15,-45 v1(-18.145,-45)
KEY4: P10K.2 U11F.C17 | length 21.7
  L1 w0.1: P10K.2@-18.145,-45.4 -16.749,-45.4 -16.499,-45.65 -14.52,-45.65 -14.025,-45.155 -14.025,-44.049 -12.601,-42.625 -6.745,-42.625 -5.445,-43.925 -2.4,-43.925 -1.575,-43.1 0.1,-43.1 U11F.C17@0.5,-43.5
KEY5: P10K.17 U11F.B16 | length 25
  L1 w0.1: P10K.17@-20.855,-45.4 -19.7,-45.4 -19.325,-45.775 -19.325,-46.541 -18.816,-47.05 -17.367,-47.05 -16.767,-46.45 -14.188,-46.45 -13.225,-45.487 -13.225,-44.38 -12.27,-43.425 -7.076,-43.425 -5.226,-45.275 -2.15,-45.275 -1.575,-44.7 -0.7,-44.7 U11F.B16@-0.3,-44.3
KEY6: P10K.19 U11F.B17 | length 24.9
  L1 w0.1: P10K.19@-20.855,-44.6 -19.825,-44.6 -18.85,-45.575 -18.85,-46.45 -18.675,-46.625 -17.525,-46.625 -16.95,-46.05 -14.354,-46.05 -13.625,-45.321 -13.625,-44.214 -12.436,-43.025 -6.911,-43.025 -5.611,-44.325 -4.575,-44.325 -1.925,-44.325 -1.5,-43.9 -0.7,-43.9 U11F.B17@-0.3,-43.5
KEY7: P10K.25 U11F.C14 | length 23.3
  L2 w0.1: v1(-20.625,-42.2) -20.15,-42.2 -19.175,-42.2 -18.825,-42.55 -18.825,-43.525 -18.2,-44.15 -8.708,-44.15 -7.383,-45.475 -4.4,-45.475 -3.8,-46.075 0.178,-46.075 v1(0.44,-45.813)
KEY8: U11F.B15 U16K.4 | length 31
  L1 w0.1: U16K.4@-25.125,-44.66 -25.1,-44.635 -25.1,-44.25 -24.775,-43.925 -22.717,-43.925 -22.45,-44.192 -22.45,-45.831 -20.831,-47.45 -17.201,-47.45 -16.601,-46.85 -14.023,-46.85 -12.825,-45.652 -12.825,-44.546 -12.104,-43.825 -7.242,-43.825 -5.367,-45.7 -1.65,-45.7 -1.45,-45.5 -0.7,-45.5 U11F.B15@-0.3,-45.1
KEY8_MUX: P10K.20 U12K.3 U16K.3 | length 10.6
  L1 w0.1: U12K.3@-24.725,-41.36 v1(-24.725,-41.125) -24.725,-40.925 -24.379,-40.579 cw(c-24.309,-40.65) -24.309,-40.55 -22.816,-40.55 ; -22.816,-40.55 cw(c-22.816,-40.65) -22.745,-40.58 -22.492,-40.833 -22.129,-41.196 cw(c-22.2,-41.266) -22.1,-41.266 v1(-22.1,-41.4)
  L2 w0.1: v1(-24.725,-44.425) -25.075,-44.075 -25.075,-43.275 -24.725,-42.925 v1(-24.725,-41.125) ; v1(-22.1,-41.4) -22.1,-42.975 v1(-20.875,-44.2)